# Altium PCB MainBoard.PcbDoc (part 4 of 4)
Units mm, origin at the board's own origin, x right, y up, seen from the top; angles counter-clockwise.
Board outline 107.12 x 107.12 mm, 4 copper layers (Top Layer, Internal Plane 1, Internal Plane 2, Bottom Layer), stack 1.56 mm thick; 344 components, 254 nets, 1322 pads, 508 vias.
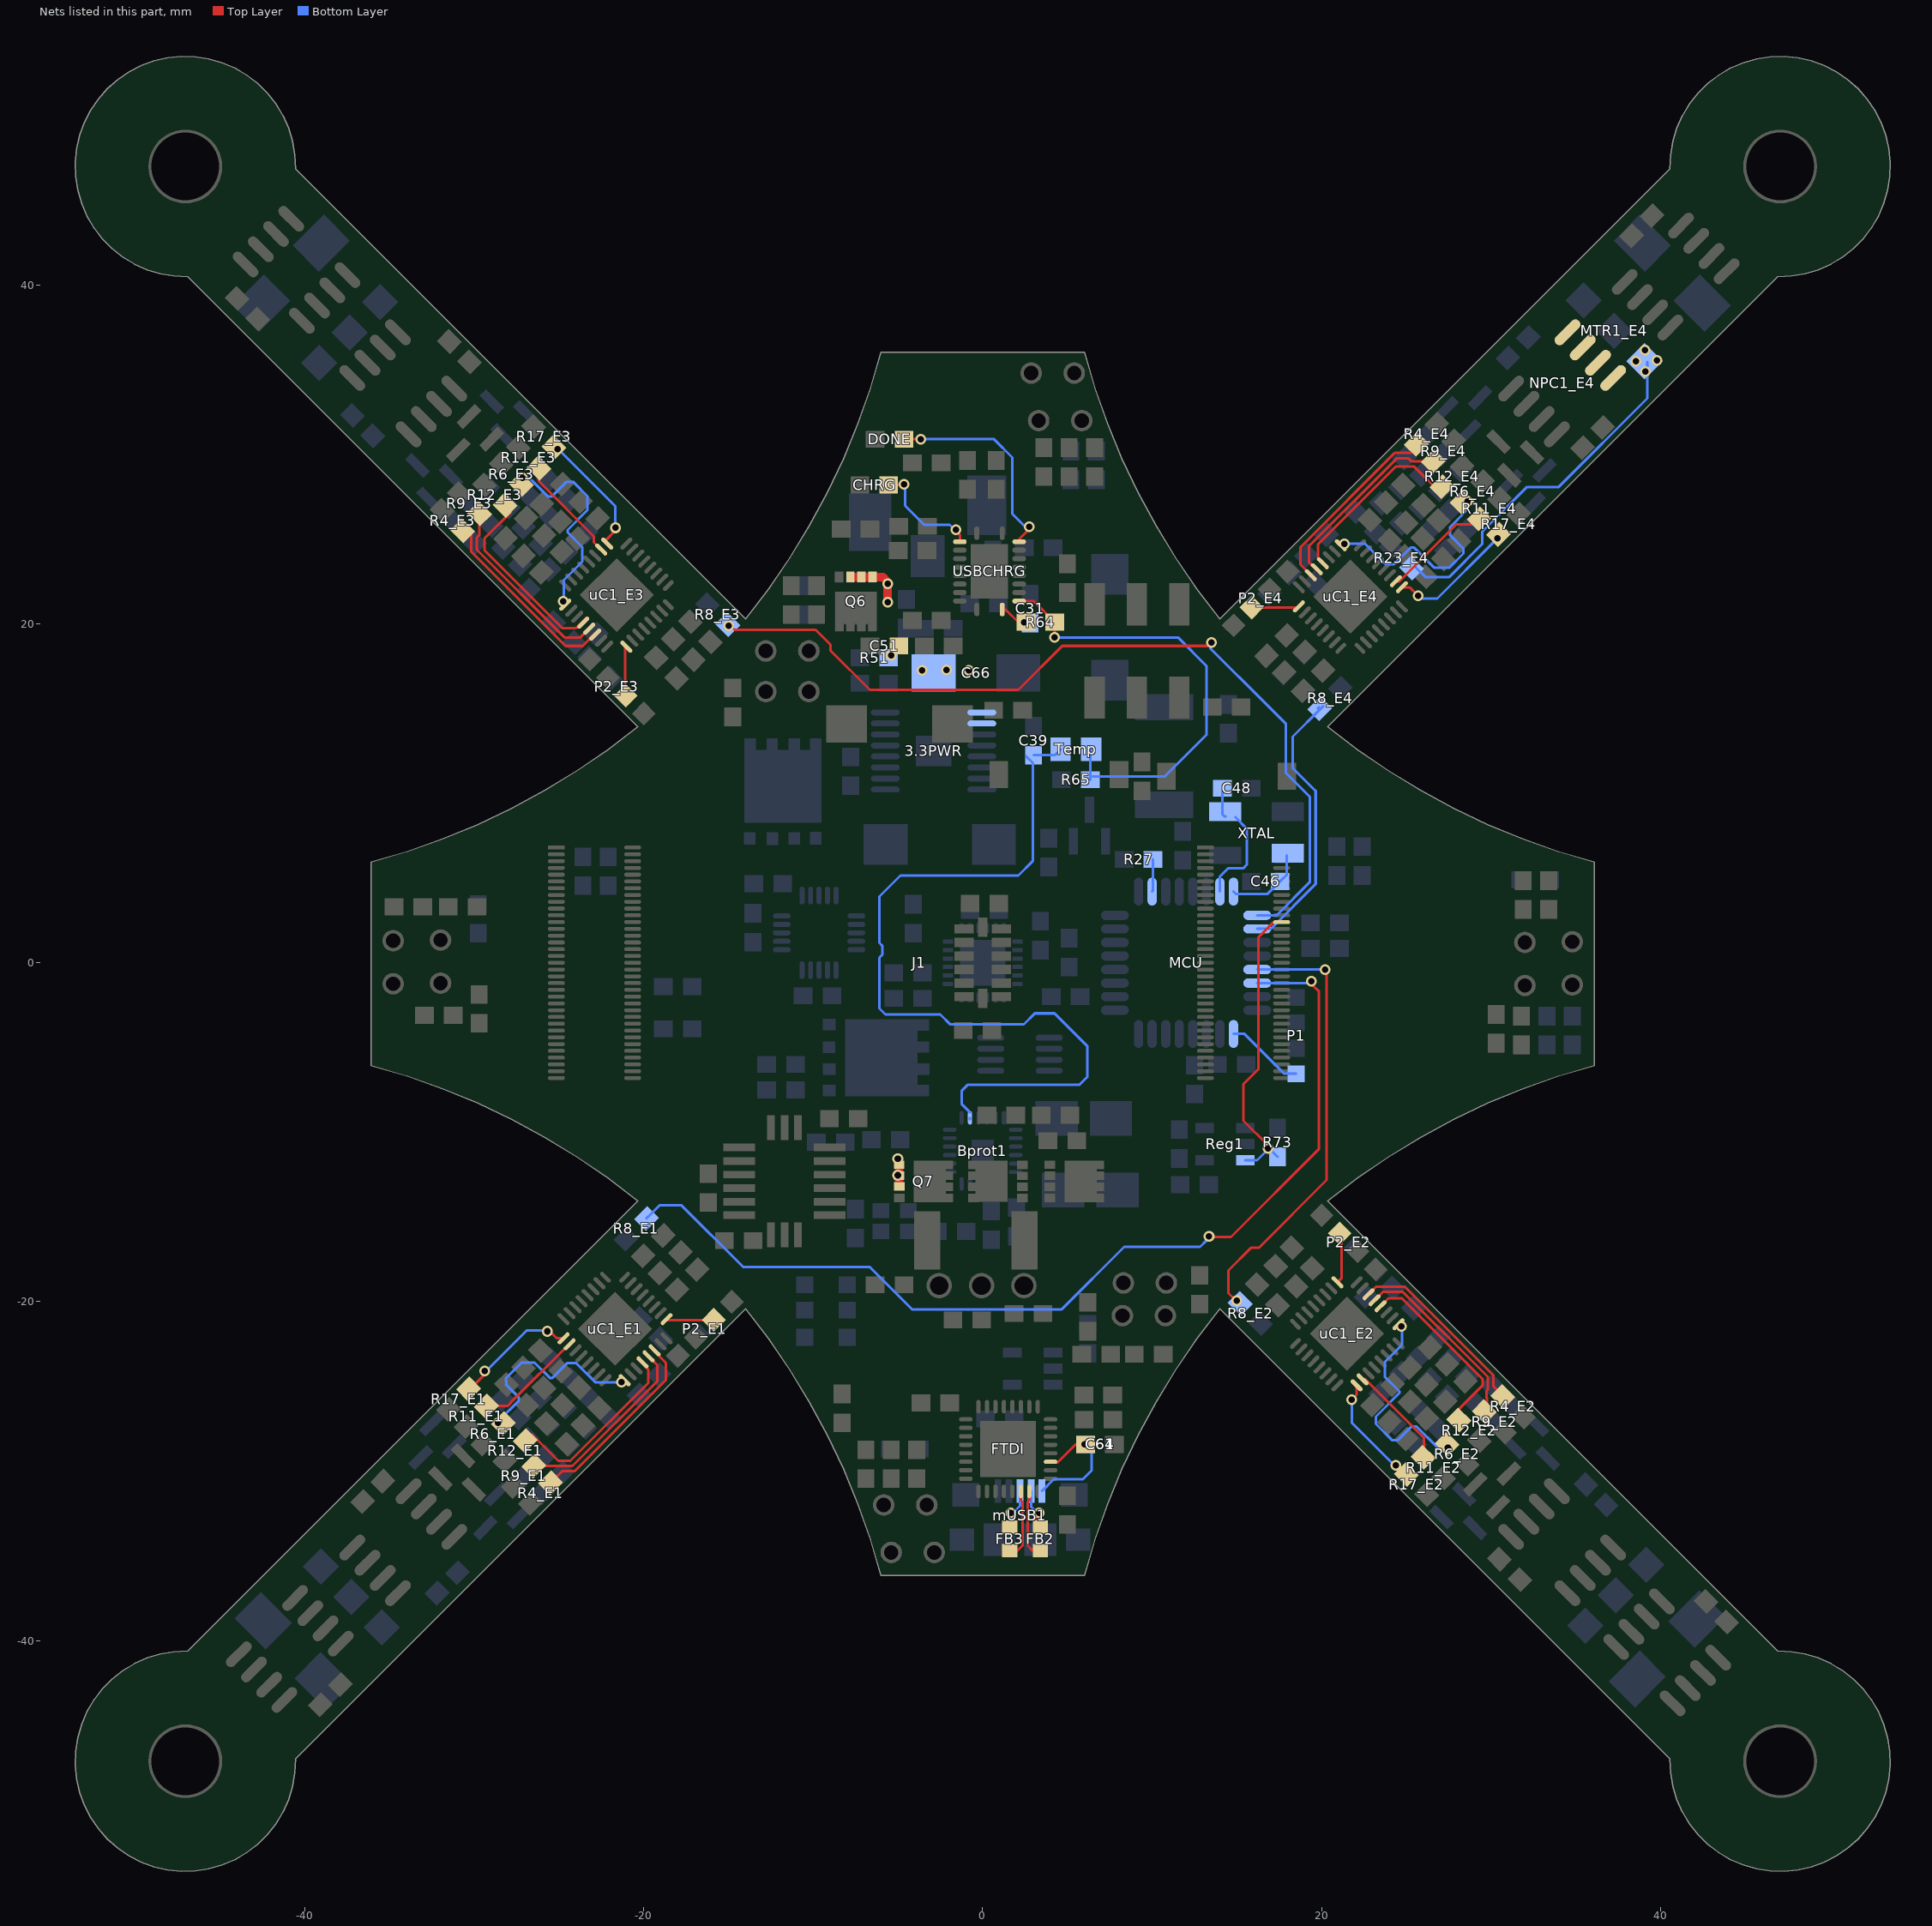
[diagram p6: the nets of this part, all layers, seen from the top]

## Via types
v1: diameter 0.635, hole 0.381, Top Layer to Bottom Layer, 475 vias
v2: diameter 1.304, hole 1.05, Top Layer to Bottom Layer, 8 vias
v3: diameter 1.804, hole 1.55, Top Layer to Bottom Layer, 8 vias
v4: diameter 2.006, hole 1.65, Top Layer to Bottom Layer, 4 vias
v5: diameter 1.006, hole 0.65, Top Layer to Bottom Layer, 4 vias
v6: diameter 1.856, hole 1.5, Top Layer to Bottom Layer, 4 vias
v7: diameter 1.956, hole 1.6, Top Layer to Bottom Layer, 2 vias
v8: diameter 0.762, hole 0.508, Top Layer to Bottom Layer, 1 vias
v9: diameter 0.7, hole 0.4, Top Layer to Bottom Layer, tented top, 1 vias
v10: diameter 0.635, hole 0.381, Top Layer to Bottom Layer, tented top, 1 vias

## Nets (pads, with @x,y where several pads share a name; then routed paths per layer and width w, separated by ;. In a path a pad name is that pad's centre, name@x,y a point inside that pad or via, vN(x,y) a via of type N, cw(c..) or ccw(c..) an arc to the next point about the centre after c; other vN are vias at no path point) (continued)
PHSC_E4: MTR1_E4.3 NPC1_E4.5 NPC1_E4.6 NPC1_E4.7 NPC1_E4.8 R23_E4.2 | length 20.9
  Bottom Layer w0.152: R23_E4.2@25.501,23.399 26.15,22.75 27.513,22.75 29.493,24.73 29.493,25.44 29.538,25.485 29.538,25.49 32.131,28.083 33.999,28.083 39.226,33.31 39.226,34.9 MTR1_E4.3@39.226,35.462
  other v1: 39.1,34.9 38.55,35.5 39.8,35.55 39.095,36.149
PULSE: MCU.2 R27.1 | length 1.9
  Bottom Layer w0.152: MCU.2@10,4.2 10.05,4.25 R27.1@10.05,6.1
PWM1: MCU.14 R8_E1.2 | length 59.5
  Top Layer w0.152: v1@13.42,-16.18 14.656,-16.18 19.85,-10.986 19.85,-1.7 19.5,-1.35 19.423,-1.235 v1@19.4,-1.2
  Bottom Layer w0.152: R8_E1.2@-19.85,-15.1 R8_E1.2@-19.849,-15.099 ; v1@13.2,-16.395 13.198,-16.398 12.83,-16.765 8.351,-16.765 4.666,-20.451 -1.071,-20.451 -1.073,-20.449 -2.227,-20.449 -2.229,-20.451 -4.18,-20.451 -6.681,-17.95 -14.15,-17.95 -17.8,-14.3 -19.05,-14.3 R8_E1.2@-19.775,-15.025 ; MCU.14@16.2,-1.2 v1@19.4,-1.2 ; R8_E1.2@-19.849,-15.099 -19.8,-15 R8_E1.2@-19.775,-15.025 ; R8_E1.2@-19.849,-15.099 R8_E1.2@-19.775,-15.025
  other v1: 13.36,-16.154 19.4,-1.1
PWM2: MCU.13 R8_E2.2 | length 26.6
  Top Layer w0.152: v1@15.1,-20.1 14.5,-19.5 14.5,-18.163 15.835,-16.828 16.294,-16.828 20.3,-12.822 v1@20.3,-0.4
  Bottom Layer w0.152: MCU.13@16.2,-0.4 v1(20.2,-0.4)
  other v1: 15,-19.95
PWM3: MCU.9 R8_E3.2 | length 52
  Top Layer w0.152: v1@-15,20 -14.65,19.65 -9.858,19.65 -8.979,18.771 -8.979,18.428 -6.655,16.104 2.104,16.104 4.7,18.7 v1@13.5,18.7
  Bottom Layer w0.152: R8_E3.2@-15.1,19.85 R8_E3.2@-15.099,19.849 ; v1@13.5,18.7 13.45,18.65 13.45,18.534 15.132,16.852 15.148,16.852 17.9,14.1 17.9,11.2 19.3,9.8 19.3,4.75 17.35,2.8 MCU.9@16.2,2.8 ; R8_E3.2@-15.099,19.849 -15.04,19.82 -15.039,19.819 -15,19.8 -15.025,19.775 -15.074,19.824 -15.075,19.825 R8_E3.2@-15.099,19.849
  other v1: 13.5,18.9 -15,19.9
PWM4: MCU.10 R8_E4.2 | length 16.6
  Bottom Layer w0.152: MCU.10@16.2,2 17,2 19.65,4.65 19.65,10.15 19.634,10.15 18.3,11.484 18.3,13.3 18.3,13.35 19.924,14.974 R8_E4.2@20.1,15.15 ; R8_E4.2@19.85,15.1 R8_E4.2@19.849,15.099 ; R8_E4.2@19.849,15.099 19.824,15.074 19.775,15.025 19.8,15 19.819,15.038 R8_E4.2@19.849,15.099
PWM_PHSA1_E1: R4_E1.1 uC1_E1.14 | length 11.6
  Top Layer w0.152: R4_E1.1@-25.65,-30.6 -25.624,-30.574 -25.384,-30.574 -24.823,-30.013 -24.088,-30.013 -18.7,-24.626 -18.7,-23.612 -19.403,-22.909 -19.45,-22.862 uC1_E1.14@-19.45,-22.75
PWM_PHSA1_E2: R4_E2.1 uC1_E2.14 | length 11.1
  Top Layer w0.152: uC1_E2.14@22.773,-19.567 23.211,-19.129 24.925,-19.129 30.15,-24.353 30.15,-25 R4_E2.1@30.7,-25.55
PWM_PHSA1_E3: R4_E3.1 uC1_E3.14 | length 11.6
  Top Layer w0.152: R4_E3.1@-30.6,25.65 -30.574,25.624 -30.2,25.25 -30.2,24.287 ; -30.183,24.258 -24.626,18.7 -23.612,18.7 -22.909,19.403 -22.862,19.45 uC1_E3.14@-22.75,19.45
PWM_PHSA1_E4: R4_E4.1 uC1_E4.14 | length 11.6
  Top Layer w0.152: uC1_E4.14@19.5,22.65 19.5,22.762 19.378,22.884 18.75,23.512 18.75,24.526 24.308,30.083 ; 24.337,30.1 25.3,30.1 25.699,30.499 R4_E4.1@25.7,30.5
PWM_PHSA2_E1: R6_E1.1 uC1_E1.9 | length 11.9
  Bottom Layer w0.152: v1@-28.6,-27.044 -28.547,-27.097 v1@-28.472,-27.172 ; v1@-28.577,-27.042 -27.392,-25.858 -27.392,-25.642 -28.132,-24.902 ; -28.132,-24.901 -28.124,-24.893 -28.124,-24.708 -28.132,-24.7 -28.132,-24.511 -27.22,-23.599 -26.451,-23.599 -25.55,-24.5 -25.4,-24.5 -24.53,-23.63 -23.987,-23.63 -22.866,-24.752 -21.431,-24.752 v1@-21.373,-24.694
  other v1: -28.613,-27.161 -21.316,-24.752
PWM_PHSA2_E2: R6_E2.1 uC1_E2.9 | length 12.3
  Bottom Layer w0.152: v1@24.8,-21.4 24.9,-21.5 24.74,-21.66 24.74,-22.56 23.73,-23.57 23.73,-24.43 24.6,-25.3 24.6,-25.386 23.2,-26.786 23.2,-27.219 24.151,-28.17 24.51,-28.17 25.298,-27.381 ; 25.349,-27.381 25.612,-27.381 26.805,-28.575 27.069,-28.575
  other v1: 27.457,-28.626 24.713,-21.465
PWM_PHSA2_E3: R6_E3.1 uC1_E3.9 | length 12.3
  Bottom Layer w0.152: v1@-27.172,28.472 -27.044,28.6 -26.742,28.6 -25.673,27.531 -25.419,27.531 -24.605,28.345 ; v1@-24.721,21.606 -24.721,22.579 -23.63,23.67 -23.63,24.53 -24.5,25.4 -24.5,25.55 -23.328,26.722 -23.328,27.547 -24.151,28.37 -24.58,28.37 -24.605,28.345 ; -24.641,28.359 -24.626,28.345 -24.605,28.345 ; -24.6,28.35 -24.605,28.345
  other v1: -24.753,21.328 -27.164,28.625
PWM_PHSA2_E4: R6_E4.1 uC1_E4.9 | length 12.3
  Bottom Layer w0.152: v1@21.6,24.723 22.577,24.723 23.77,23.53 24.28,23.53 25.25,24.5 25.466,24.5 26.638,23.328 27.547,23.328 28.37,24.151 28.37,24.447 27.59,25.227 27.59,25.722 28.496,26.628 v1@28.496,27.228
  other v1: 21.342,24.723 28.608,27.238
PWM_PHSB1_E1: R9_E1.1 uC1_E1.13 | length 11.6
  Top Layer w0.152: R9_E1.1@-26.499,-29.699 -25.251,-29.699 -25.25,-29.7 -24.217,-29.7 -19.2,-24.683 -19.2,-23.746 uC1_E1.13@-19.62,-23.326 ; uC1_E1.13@-19.82,-23.176 -19.741,-23.249 -19.636,-23.344 -19.324,-23.628
PWM_PHSB1_E2: R9_E2.1 uC1_E2.13 | length 11.1
  Top Layer w0.152: uC1_E2.13@23.126,-19.92 23.613,-19.434 24.799,-19.434 29.805,-24.439 29.805,-25.195 29.728,-25.272 29.728,-25.658 29.75,-25.68 29.75,-26.45 R9_E2.1@29.7,-26.5
PWM_PHSB1_E3: R9_E3.1 uC1_E3.13 | length 11.7
  Top Layer w0.152: R9_E3.1@-29.699,26.499 -29.699,25.251 -29.864,25.086 -29.864,24.381 -24.683,19.2 -23.746,19.2 uC1_E3.13@-23.326,19.62 ; -23.628,19.324 -23.344,19.636 -23.249,19.741 uC1_E3.13@-23.176,19.82
PWM_PHSB1_E4: R9_E4.1 uC1_E4.13 | length 11.7
  Top Layer w0.152: 19.374,23.528 19.686,23.244 19.713,23.219 uC1_E4.13@19.87,23.076 ; uC1_E4.13@19.67,23.226 19.25,23.646 19.25,24.583 24.431,29.764 25.136,29.764 25.295,29.605 25.576,29.605 25.582,29.599 R9_E4.1@26.549,29.599
PWM_PHSB2_E1: R11_E1.1 uC1_E1.2 | length 6.4
  Top Layer w0.152: R11_E1.1@-29.297,-26.148 -28.015,-26.148 -27.87,-26.002 -27.87,-25.971 -24.418,-22.519 uC1_E1.2@-24.387,-22.519
PWM_PHSB2_E2: R11_E2.1 uC1_E2.2 | length 6.2
  Top Layer w0.152: uC1_E2.2@22.393,-24.587 uC1_E2.2@22.419,-24.587 22.586,-24.587 26.03,-28.031 R11_E2.1@26.03,-29.087 ; R11_E2.1@25.999,-29.099 R11_E2.1@26.099,-29.099
PWM_PHSB2_E3: R11_E3.1 uC1_E3.2 | length 6.4
  Top Layer w0.152: R11_E3.1@-26.196,29.225 -26.196,28.417 -22.947,25.168 -22.947,24.815 uC1_E3.2@-22.519,24.387
PWM_PHSB2_E4: R11_E4.1 uC1_E4.2 | length 6.4
  Top Layer w0.152: uC1_E4.2@24.387,22.519 24.594,22.519 27.946,25.872 29.084,25.872 R11_E4.1@29.276,26.064
PWM_PHSC1_E1: R12_E1.1 uC1_E1.12 | length 11.1
  Top Layer w0.152: R12_E1.1@-26.6,-27.85 -25.055,-29.395 -24.343,-29.395 -19.744,-24.796 -19.744,-24.01 -20.124,-23.63 uC1_E1.12@-20.374,-23.38
PWM_PHSC1_E2: R12_E2.1 uC1_E2.12 | length 10.8
  Top Layer w0.152: uC1_E2.12@23.48,-20.274 23.963,-19.791 24.725,-19.791 25.403,-20.469 29.5,-24.566 29.5,-24.95 R12_E2.1@27.95,-26.5
PWM_PHSC1_E3: R12_E3.1 uC1_E3.12 | length 11.1
  Top Layer w0.152: R12_E3.1@-27.85,26.6 -29.4,25.05 -29.4,24.348 -24.796,19.744 -24.01,19.744 -23.63,20.124 uC1_E3.12@-23.38,20.374
PWM_PHSC1_E4: R12_E4.1 uC1_E4.12 | length 10.7
  Top Layer w0.152: uC1_E4.12@20.099,23.605 19.794,23.91 19.794,24.696 24.398,29.3 25.45,29.3 R12_E4.1@26.825,27.925
PWM_PHSC2_E1: R17_E1.1 uC1_E1.1 | length 7.3
  Top Layer w0.152: R17_E1.1@-30.299,-25.199 -29.368,-24.268 v1@-29.368,-24.095 ; v1@-25.602,-21.702 -25.145,-22.159 -24.741,-22.159 uC1_E1.1@-24.741,-22.166
  Bottom Layer w0.152: v1@-29.397,-24.116 -29.334,-24.116 -26.925,-21.707 -25.814,-21.707 v1@-25.713,-21.606
  other v1: -29.391,-24.09 -25.704,-21.751
PWM_PHSC2_E2: R17_E2.1 uC1_E2.1 | length 6.9
  Top Layer w0.152: v1@21.767,-25.799 22.066,-25.5 uC1_E2.1@22.066,-24.941 uC1_E2.1@21.959,-24.941 ; R17_E2.1@24.934,-30.199 R17_E2.1@24.999,-30.199
  Bottom Layer w0.152: v1@21.793,-25.781 21.779,-25.795 21.779,-27.144 24.885,-30.25 24.9,-30.25
  other v1: 24.387,-29.652 21.768,-25.781
PWM_PHSC2_E3: R17_E3.1 uC1_E3.1 | length 7
  Top Layer w0.152: uC1_E3.1@-22.166,24.741 -22.312,24.88 v1@-21.652,25.539
  Bottom Layer w0.152: v1@-25.05,30.2 -24.946,30.2 -21.692,26.947 v1@-21.692,25.761
  other v1: -21.674,25.672 -25.08,30.323
PWM_PHSC2_E4: R17_E4.1 uC1_E4.1 | length 7.3
  Top Layer w0.152: uC1_E4.1@24.741,22.166 25.188,22.166 v1@25.685,21.669
  Bottom Layer w0.152: v1@25.677,21.717 25.894,21.5 26.822,21.5 30.2,24.878 v1@30.2,25.05
  other v1: 25.701,21.653 30.382,25.054
PWR_IN: 3.3PWR.1 3.3PWR.2 C51.2 C66.1 Q6.1 Q7.1 R51.1 | length 4.7
  Top Layer w0.508: Q6.1@-7.8,22.77 -6.5,22.77 -5.9,22.77 -5.613,22.483 v1(-5.613,22.377) v1(-5.613,21.285) ; Q7.1@-4.93,-11.91 -4.925,-11.915 Q7.1@-4.925,-13.15
  other v1: -5.01,-12.54 -5.01,-11.56 -0.811,17.253 -3.583,17.263 -2.149,17.273 -5.4,18.15
SCK: MCU.17 P1.4 | length 4.7
  Bottom Layer w0.152: MCU.17@14.8,-4.2 15.45,-4.2 17.8,-6.55 P1.4@18.5,-6.55
SCK_E1: P2_E1.3 uC1_E1.17 | length 2.8
  Top Layer w0.152: uC1_E1.17@-18.75,-21.1 -18.659,-21.1 P2_E1.3@-15.996,-21.1
SCK_E2: P2_E2.3 uC1_E2.17 | length 3
  Top Layer w0.152: uC1_E2.17@20.934,-18.859 21.19,-18.604 21.19,-16.09 P2_E2.3@21.07,-15.97
SCK_E3: P2_E3.3 uC1_E3.17 | length 2.8
  Top Layer w0.152: P2_E3.3@-21.1,15.996 -21.1,18.659 uC1_E3.17@-21.1,18.75
SCK_E4: P2_E4.3 uC1_E4.17 | length 2.8
  Top Layer w0.152: P2_E4.3@15.87,20.97 18.595,20.97 uC1_E4.17@18.659,21.034
STAT1: CHRG.2 USBCHRG.2 | length 6.7
  Top Layer w0.152: CHRG.2@-5.55,28.2 v1@-4.45,28.2 ; v1@-1.55,25.45 -1.35,25.25 USBCHRG.2@-1.35,24.85
  Bottom Layer w0.152: v1@-4.486,28.15 -4.581,28.055 -4.581,26.981 -3.45,25.85 -1.95,25.85 v1@-1.55,25.45
  other v1: -1.575,25.552 -4.649,28.239
STAT2: DONE.2 USBCHRG.19 | length 16.1
  Top Layer w0.152: DONE.2@-4.65,30.9 v1(-3.65,30.9) ; USBCHRG.19@2.15,24.85 2.15,25 v1@2.7,25.55
  Bottom Layer w0.152: v1(-3.65,30.9) 0.672,30.9 1.75,29.822 1.75,26.5 v1@2.7,25.55 ; v1@-3.6,30.9 0.1,30.9
  other v1: 2.743,25.73
SYS_EN: J1.59 R73.2 Reg1.3 | length 17.7
  Top Layer w0.152: v1@16.9,-10.95 16.9,-10.837 15.384,-9.322 15.384,-7.161 16.281,-6.263 16.281,1.511 17.17,2.4 J1.59@17.641,2.4
  Bottom Layer w0.152: Reg1.3@15.5,-11.65 16.2,-11.65 16.875,-10.975 v1@16.9,-10.95 ; v1@16.9,-10.85 v1@16.9,-10.95 ; R73.2@17.4,-11.45 v1@16.9,-10.95
  other v1: 16.85,-10.95
THERMIN: R64.2 R65.1 Temp.2 USBCHRG.12 | length 26.8
  Top Layer w0.152: USBCHRG.12@2.15,21.35 3,21.35 R64.2@4.25,20.1 v1(4.25,19.2)
  Bottom Layer w0.152: v1(4.25,19.2) 11.523,19.2 13.2,17.523 13.2,13.45 10.75,11 R65.1@6.466,11 ; R65.1@6.35,10.8 6.35,12.55 Temp.2@6.4,12.6
TOUT: Bprot1.14 C39.2 Temp.1 | length 49.7
  Bottom Layer w0.152: Bprot1.14@-0.75,-9.25 Bprot1.14@-0.75,-9.15 ; Bprot1.14@-0.72,-8.855 -1.251,-8.324 -1.251,-7.573 -0.867,-7.189 4.927,-7.189 4.935,-7.197 5.711,-7.197 6.184,-6.724 6.184,-4.934 4.237,-2.987 3.08,-2.987 2.429,-3.638 ; 2.429,-3.645 -1.905,-3.645 -2.5,-3.05 -5.75,-3.05 -6.1,-2.7 -6.1,0.299 -5.931,0.468 -5.931,1.005 -6.1,1.174 -6.1,3.908 -4.858,5.15 2.1,5.15 2.95,6 2.95,11.8 C39.2@2.55,12.2 ; C39.2@3,12.25 4.25,12.25 Temp.1@4.6,12.6
USBH_D_N: FB2.2 FTDI.15 | length 4.1
  Top Layer w0.152: FTDI.15@2.75,-31.2 2.75,-31.72 2.652,-31.818 2.652,-34.402 2.95,-34.7 FB2.2@3.4,-34.7
USBH_D_P: FB3.2 FTDI.14 | length 4.1
  Top Layer w0.152: FB3.2@1.6,-34.7 2.05,-34.7 2.348,-34.402 2.348,-31.818 2.25,-31.72 FTDI.14@2.25,-31.2
USBH_IN_N: FB2.1 mUSB1.2 | length 2.4
  Top Layer w0.152: v1@3.15,-32.4 3.15,-33.05 FB2.1@3.4,-33.3
  Bottom Layer w0.152: mUSB1.2@2.85,-31.175 2.85,-32.1 v1@3.15,-32.4
  other v1: 3.325,-32.47
USBH_IN_P: FB3.1 mUSB1.3 | length 2.3
  Top Layer w0.152: FB3.1@1.55,-33.25 1.85,-32.95 v1@1.85,-32.4
  Bottom Layer w0.152: v1@1.85,-32.4 2.2,-32.05 mUSB1.3@2.2,-31.175
  other v1: 1.668,-32.463
VTSB: C31.1 R64.1 USBCHRG.11 | length 1.7
  Top Layer w0.152: USBCHRG.11@1.15,20.85 1.345,20.85 2.095,20.1 v1(2.45,20.1) R64.1@2.55,20.1
VUSB: C61.1 C64.1 FTDI.19 mUSB1.1 | length 8.4
  Top Layer w0.152: FTDI.19@4,-29.45 4.049,-29.499 4.412,-29.499 5.468,-28.443 C61.1@5.963,-28.443 ; C61.1@5.771,-28.077 6.071,-28.377 6.046,-28.402 v1(6.021,-28.427) ; v1(6.021,-28.427) C61.1@6.071,-28.427 v1(6.021,-28.427)
  Bottom Layer w0.152: mUSB1.1@3.5,-31.175 4.204,-30.471 5.923,-30.471 6.421,-29.973 6.421,-28.82 C64.1@6.069,-28.468 ; C64.1@5.797,-28.427 v1(6.021,-28.427) C64.1@6.071,-28.427
X1: C48.1 MCU.7 XTAL.1 | length 7.5
  Bottom Layer w0.152: MCU.7@14,4.2 14,5.1 14.471,5.571 15.37,5.571 15.6,5.802 15.6,7.9 XTAL.1@14.9,8.6 ; C48.1@14.15,10.1 14.15,8.75 14.25,8.65 XTAL.1@14.35,8.65
X2: C46.1 MCU.8 XTAL.2 | length 4.8
  Bottom Layer w0.152: MCU.8@14.8,4.2 14.929,4.071 16.821,4.071 C46.1@17.55,4.8 17.95,5.2 XTAL.2@17.95,6.35
pads on no net: 3.3PWR.3 3.3PWR.4 3.3PWR.5 3.3PWR.6 3.3PWR.8 "DC IN.3" ACCEL.3 ACCEL.4 ACCEL.10 ACCEL.11 Bprot1.18 Bprot1.21 FTDI.3 FTDI.5 FTDI.6 FTDI.7 FTDI.8 FTDI.9 FTDI.10 FTDI.11 FTDI.12 FTDI.13 FTDI.23 FTDI.25 FTDI.27 FTDI.28 FTDI.29 FTDI.31 FTDI.32 IMU.2 IMU.3 IMU.4 IMU.5 IMU.14 IMU.15 IMU.16 IMU.17 IMU.19 IMU.21 IMU.22 IMU.25 J1.2 J1.3 J1.4 J1.5 J1.6 J1.7 J1.8 J1.9 J1.10 J1.11 J1.12 J1.13 J1.14 J1.15 J1.16 J1.17 J1.18 J1.19 J1.20 J1.21 J1.22 J1.23 J1.24 J1.25 J1.27 J1.28 J1.29 J1.30 J1.32 J1.33 J1.34 J1.35 J1.36 J1.37 J1.38 J1.39 J1.40 J1.41 J1.42 J1.43 J1.44 J1.45 J1.46 J1.47 J1.48 J1.49 J1.50 J1.51 J1.52 J1.53 J1.54 J1.55 J1.57 J1.60 J1.61 J1.62 J1.63 J1.64 J1.65 J1.68 J1.69 J1.74 J1.75 J1.76 J1.77 J1.78 J1.79 J1.80 J1.81 J1.82 J1.83 J1.84 J1.85 J1.86 J1.87 J1.88 J1.89 J1.90 J1.91 J1.92 J1.93 J1.95 J1.96 J1.97 J1.98 J1.99 J1.100 J1.101 J1.102 J1.104 J1.105 J1.106 J1.107 J1.108 J1.109 J1.110 J1.111 J1.112 J1.113 J1.114 J1.115 J1.116 J1.117 J1.119 J1.120 J1.121 J1.122 J1.123 J1.124 J1.125 J1.126 J1.127 J1.128 J1.129 J1.130 J1.131 J1.132 J1.133 J1.134 J1.135 J1.136 J1.137 J1.138 J1.139 J1.140 Mag.2 Mag.3 Mag.4 Mag.5 Mag.6 Mag.7 Mag.8 Mag.10 Mag.11 Mag.19 mUSB1.4 mUSB1.SHIELD1 mUSB1.SHIELD2 mUSB1.SHIELD3 mUSB1.SHIELD4 mUSB1.SHIELD5 Prssr.3 Prssr.11 Prssr.NC Reg1.4 S1.1 S1.2 S1.3 S1.6 uC1_E1.7 uC1_E1.8 uC1_E1.11 uC1_E1.19 uC1_E1.22 uC1_E1.24 uC1_E1.26 uC1_E1.30 uC1_E1.31 uC1_E2.7 uC1_E2.8 uC1_E2.11 uC1_E2.19 uC1_E2.22 uC1_E2.24 uC1_E2.26 uC1_E2.30 uC1_E2.31 uC1_E3.7 uC1_E3.8 uC1_E3.11 uC1_E3.19 uC1_E3.22 uC1_E3.24 uC1_E3.26 uC1_E3.30 uC1_E3.31 uC1_E4.7 uC1_E4.8 uC1_E4.11 uC1_E4.19 uC1_E4.22 uC1_E4.24 uC1_E4.26 uC1_E4.30 uC1_E4.31 XTAL.3 XTAL.4
copper on no net:
  other v2: 47.062,-51.626 -51.562,-47.126 -42.562,-47.126 47.062,-42.626 -47.062,42.497 42.562,46.997 51.562,46.997 -47.062,51.497
  other v3: -47.062,-52.126 42.062,-47.126 52.062,-47.126 -47.062,-42.126 47.062,41.997 -52.062,46.997 -42.062,46.997 47.062,51.997
  other v4: -27.356,-6.9 27.444,-6.9 -27.456,6.9 27.444,6.9
  other v5: -22.011,-7.6 16.291,-7.6 -23.811,7.6 14.491,7.6
  other v6: 0,-23.4 -30,0 30,0 -0.002,19.306
  other v7: -3.2,27.5 -3.2,33

## Polygon pours and split planes (outlines as drawn)
GND on Bottom Layer "Top Layer-No Net" (solid, pour order 1005): -47.143,41.558 -47.143,41.44 -42.836,37.084 -37.388,42.594 -37.342,42.594 -37.342,42.853 -41.579,47.138
PHSB_E3 on Bottom Layer "Bottom Layer-No Net" (solid, pour order 1000): -42.665,37.011 -37.965,32.464 -32.44,37.97 -36.814,42.536
GND on Bottom Layer "Top Layer-No Net" (solid, pour order 1005): 41.414,47.003 41.296,47.003 36.94,42.696 42.449,37.248 42.449,37.202 42.709,37.202 46.994,41.439
PHSB_E4 on Bottom Layer "Bottom Layer-No Net" (solid, pour order 1000): 36.94,42.628 32.394,37.928 37.899,32.403 42.465,36.777
Net3.3PWR_14 on Bottom Layer "Top Layer-No Net" (solid, pour order 1000): -4.907,12.738 -4.907,15.744 -10.244,15.744 -15.244,15.723 -15.243,14.568 -15.243,9.863 -10.075,9.863 -4.84,9.908
PHSB_E1 on Bottom Layer "Bottom Layer-No Net" (solid, pour order 1000): -36.858,-42.632 -32.312,-37.932 -37.818,-32.407 -42.383,-36.781
GND on Bottom Layer "Top Layer-No Net" (solid, pour order 1005): -41.375,-46.853 -41.256,-46.853 -36.845,-42.487 -42.424,-36.966 -42.424,-36.919 -42.686,-36.919 -47.026,-41.213
NetC27_2 on Bottom Layer "Top Layer-No Net" (solid, pour order 1004): 3.644,12.335 3.644,19.306 3.589,19.368 3.671,19.276 13.526,19.276 13.526,12.365 13.443,12.273
NetL1_1 on Bottom Layer "Top Layer-No Net" (solid, pour order 1003): 11.594,20.859 4.307,20.859 4.224,20.776 3.948,21.052 3.948,27.815 11.567,27.815 11.649,27.732
CHRG_PWR on Bottom Layer "Top Layer-No Net" (solid, pour order 1002): -9.203,22.25 -1.755,22.25 -1.755,28.747 -1.786,28.778 -1.941,28.937 -9.265,28.937
BATT+ on Bottom Layer "Top Layer-No Net" (solid, pour order 1001): 8.029,-19.869 8.034,-19.882 8.958,-19.882 9.189,-19.882 10.797,-15.553 10.788,-15.527 10.788,-10.36 8.025,-10.36 8.02,-10.373
PWR_IN on Bottom Layer "Top Layer-No Net" (solid, pour order 1000): 2.62,18.619 2.447,18.741 -6.426,18.741 -6.405,13.853 -6.424,13.853 -6.007,13.84 2.57,13.84
BATT+ on Bottom Layer "Top Layer-No Net" (solid, pour order 1001): 32.05,31.5 30.8,32.75 32.2,34.15 32.55,35.35 33.05,35.85 35.05,33.85 34.55,33.35 33.55,33
BATT+ on Bottom Layer "Top Layer-No Net" (solid, pour order 1001): -31.5,32.05 -32.75,30.8 -34.15,32.2 -35.35,32.55 -35.85,33.05 -33.85,35.05 -33.35,34.55 -33,33.55
BATT+ on Bottom Layer "Top Layer-No Net" (solid, pour order 1001): -32.05,-31.5 -30.8,-32.75 -32.2,-34.15 -32.55,-35.35 -33.05,-35.85 -35.05,-33.85 -34.55,-33.35 -33.55,-33
BATT+ on Bottom Layer "Top Layer-No Net" (solid, pour order 1000): 31.733,-32.098 32.983,-30.848 34.383,-32.248 35.583,-32.598 36.083,-33.098 34.083,-35.098 33.583,-34.598 33.233,-33.598
GND on Bottom Layer "Top Layer-No Net" (solid, pour order 1000): -0.895,28.753 -0.873,28.731 1.397,28.731 1.397,23.436 1.386,23.425 -0.917,23.425
PHSB_E2 on Bottom Layer "Bottom Layer-No Net" (solid, pour order 1000): 42.49,-36.831 37.79,-32.285 32.265,-37.79 36.639,-42.356
GND on Bottom Layer "Top Layer-No Net" (solid, pour order 1005): 46.616,-40.963 46.616,-40.845 42.309,-36.489 36.861,-41.999 36.815,-41.999 36.815,-42.258 41.052,-46.543
NetCHG1_1 on Top Layer "Top Layer-No Net" (solid, pour order 1000): 1.88,-14.28 1.88,-11.52 4.42,-11.52 4.43,-11.53 4.43,-14.28
GND on Top Layer "Top Layer-No Net" (solid, pour order 1006): 6.265,-19.94 0.077,-19.94 0.041,-19.877 0.006,-19.813 0.006,-14.49 6.265,-14.49 6.3,-14.553 6.265,-14.553
PHSC_E3 on Top Layer "Bottom Layer-No Net" (solid, pour order 1002): -34.98,41.174 -38.035,38.119 -36.55,36.623 -38.148,35.044 -39.323,33.85 -37.569,32.11 -33.114,36.535 -31.863,37.816
PHSA_E3 on Top Layer "Bottom Layer-No Net" (solid, pour order 1001): -35.036,41.148 -36.668,42.781 -41.516,37.867 -42.472,36.978 -39.366,33.967 -37.966,35.367 -36.761,36.56 -38.177,38.138
PHSA_E4 on Top Layer "Bottom Layer-No Net" (solid, pour order 1001): 41.275,35.003 42.907,36.636 37.994,41.484 37.104,42.439 34.094,39.334 35.494,37.934 36.686,36.729 38.265,38.145
PHSC_E4 on Top Layer "Bottom Layer-No Net" (solid, pour order 1002): 41.362,35.079 38.363,38.079 36.811,36.649 35.232,38.247 34.038,39.422 32.298,37.668 36.723,33.213 38.004,31.962
BATT+ on Top Layer "Top Layer-No Net" (solid, pour order 1005): 42.32,36.674 36.604,42.497 41.127,46.999 46.991,41.054
BATT+ on Top Layer "Top Layer-No Net" (solid, pour order 1005): -36.855,42.353 -42.541,36.799 -46.937,41.194 -41.131,46.893
BATT+ on Top Layer "Top Layer-No Net" (solid, pour order 1005): 36.689,-42.149 42.374,-36.595 47.266,-41.337 41.342,-47.037
PHSC_E2 on Top Layer "Bottom Layer-No Net" (solid, pour order 1002): 35.129,-41.114 38.128,-38.115 36.698,-36.563 38.297,-34.984 39.471,-33.79 37.717,-32.05 33.263,-36.475 32.011,-37.756
PHSA_E2 on Top Layer "Bottom Layer-No Net" (solid, pour order 1001): 35.104,-41.053 36.737,-42.686 41.585,-37.772 42.54,-36.883 39.435,-33.872 38.035,-35.272 36.83,-36.465 38.246,-38.043
PHSC_E1 on Top Layer "Bottom Layer-No Net" (solid, pour order 1002): -41.105,-34.915 -38.105,-37.915 -36.553,-36.485 -34.975,-38.083 -33.78,-39.257 -32.367,-37.863 -36.925,-33.383 -38.175,-32.142
PHSA_E1 on Top Layer "Bottom Layer-No Net" (solid, pour order 1001): -41.142,-35.086 -42.775,-36.719 -37.862,-41.567 -36.972,-42.522 -33.962,-39.417 -35.362,-38.017 -36.554,-36.812 -38.133,-38.228
BATT+ on Top Layer "Top Layer-No Net" (solid, pour order 1005): -42.399,-36.817 -36.845,-42.502 -41.24,-46.898 -46.939,-41.093
NetL1_1 on Top Layer "Top Layer-No Net" (solid, pour order 1000): -0.75,23.039 -0.75,24.997 -0.745,27.484 1.215,27.512 3.14,27.55 6.874,27.55 6.874,25.507 6.846,23.067 4.618,23.039
BATT- on Top Layer "Top Layer-No Net" (solid, pour order 1007): -16.14,-14.316 -0.161,-14.344 -0.161,-14.627 -0.125,-25.265 -15.89,-25.237
3.3V on Top Layer "Top Layer-No Net" (solid, pour order 1001): -9.388,7.911 3.077,7.911 3.077,15.487 -9.388,15.487
GND on Top Layer "Top Layer-No Net" (solid, pour order 1002): 34.937,-33.885 31.637,-30.491 33.637,-28.435 36.936,-31.828
BATT+ on Top Layer "Top Layer-No Net" (solid, pour order 1004): 32.665,30.685 31.415,31.935 32.915,33.435 32.915,34.935 33.415,35.435 35.365,33.485 35.365,33.385 32.665,30.685
BATT+ on Top Layer "Top Layer-No Net" (solid, pour order 1004): -30.7,32.7 -31.95,31.45 -33.45,32.95 -34.95,32.95 -35.45,33.45 -33.5,35.4 -33.4,35.4 -30.7,32.7
BATT+ on Top Layer "Top Layer-No Net" (solid, pour order 1004): -32.7,-30.7 -31.45,-31.95 -32.95,-33.45 -32.95,-34.95 -33.45,-35.45 -35.4,-33.5 -35.4,-33.4 -32.7,-30.7
BATT+ on Top Layer "Top Layer-No Net" (solid, pour order 1003): 30.75,-32.75 32,-31.5 33.5,-33 35,-33 35.5,-33.5 33.55,-35.45 33.45,-35.45 30.75,-32.75
GND on Top Layer "Top Layer-No Net" (solid, pour order 1002): -33.6,-35.25 -30.207,-31.95 -28.15,-33.95 -31.543,-37.25
GND on Top Layer "Top Layer-No Net" (solid, pour order 1003): -35.25,33.65 -31.95,30.257 -33.95,28.2 -37.25,31.593
GND on Top Layer "Top Layer-No Net" (solid, pour order 1003): 33.7,35.25 30.307,31.95 28.25,33.95 31.643,37.25
BATT+ on Top Layer "Top Layer-No Net" (solid, pour order 1000): 6.989,-8.25 12.823,-8.25 12.823,-14.038 8.855,-18.14 8.135,-18.13 8.14,-14.631 6.97,-14.633
PWR_IN on Top Layer "Bottom Layer-No Net" (solid, pour order 1000): -6.4,-13.9 -4.125,-13.9 -4.125,-10.525 -4.175,-10.575 -6.4,-10.575
PWR_IN on Top Layer "Top Layer-No Net" (solid, pour order 1008): -3.32,-10.349 -3.32,-14.212 -7.425,-14.212 -7.506,-14.293 -7.263,-14.05 -7.263,-10.349
GND on Internal Plane 1 (split plane): 725 vertices, not listed, extent -53.047,-53.111 53.047,52.982
BATT+ on Internal Plane 2 (split plane): 475 vertices, not listed, extent -53.428,-53.493 53.428,53.364
3.3V on Internal Plane 2 (split plane): 8.608,10.992 8.58,10.95 8.571,10.9 8.571,9.086 8.58,9.036 8.608,8.994 12.971,4.632 12.971,-8.046 12.684,-8.333 8.137,-8.333 8.088,-8.343 8.046,-8.371 6.396,-10.021 -8.696,-10.021 -13.271,-5.446 -13.271,7.646 -7.246,13.671 11.287,13.671
PWR_IN on Internal Plane 2 (split plane): -0.179,17.35 -0.179,13.929 -7.3,13.929 -7.35,13.92 -7.392,13.892 -13.492,7.792 -13.52,7.75 -13.529,7.7 -13.529,-5.5 -13.52,-5.55 -13.492,-5.592 -8.842,-10.242 -8.8,-10.27 -8.75,-10.279 -3.779,-10.279 -3.779,-14.721 -11.796,-14.721 -17.171,-9.346 -17.171,10.646 -13.908,13.908 -13.88,13.95 -13.871,14 -13.871,20.248 -12.543,21.983 -12.542,21.986 -12.539,21.988 -11.832,23.021 -0.179,23.021
PACK+ on Internal Plane 2 (split plane): 17.871,9.846 17.871,-9.446 12.596,-14.721 -3.521,-14.721 -3.521,-10.279 6.45,-10.279 6.5,-10.27 6.542,-10.242 8.191,-8.592 12.738,-8.592 12.787,-8.582 12.829,-8.554 13.192,-8.192 13.22,-8.15 13.229,-8.1 13.229,4.686 13.22,4.735 13.192,4.777 8.829,9.139 8.829,10.846 11.654,13.671 14,13.671 14.039,13.678
NetL1_1 on Internal Plane 2 (split plane): 6.505,33.867 6.507,33.864 6.507,33.861 7.247,31.765 7.249,31.762 7.249,31.758 8.098,29.704 8.1,29.701 8.101,29.698 9.055,27.69 9.057,27.688 9.058,27.684 10.117,25.73 10.119,25.727 10.12,25.724 11.279,23.827 11.281,23.825 11.283,23.822 12.539,21.988 12.542,21.986 12.543,21.983 13.808,20.329 5.104,20.329 2.542,22.892 2.5,22.92 2.45,22.929 0.079,22.929 0.079,35.906 5.903,35.906
CHRG_PWR on Internal Plane 2 (split plane): -0.179,23.279 -11.654,23.279 -11.283,23.822 -11.281,23.825 -11.279,23.827 -10.12,25.724 -10.119,25.727 -10.117,25.73 -9.058,27.684 -9.057,27.688 -9.055,27.69 -8.101,29.698 -8.1,29.701 -8.098,29.704 -7.249,31.758 -7.249,31.762 -7.247,31.765 -6.507,33.861 -6.507,33.864 -6.505,33.867 -5.903,35.906 -0.179,35.906
NetC27_2 on Internal Plane 2 (split plane): 4.958,20.108 5,20.08 5.05,20.071 13.921,20.071 13.921,13.929 11.6,13.929 11.575,13.925 11.55,13.929 0.079,13.929 0.079,17.35 0.079,22.671 2.396,22.671

## Keep-outs
Keep-Out Layer:
  the board outline again, w0.254

## Other copper
Top Layer:
  rectangle net NetCHG1_1: 3.65,-12.725 4.275,-11.775
Internal Plane 2 (plane layer: these items are gaps in the copper):
  lines w0.254: -14,20.25 -14,14 -17.3,10.7 -17.3,-9.4 -11.85,-14.85 -3.65,-14.85 -3.65,-10.15 ; -11.85,23.15 -0.05,23.15 ; -5.2,-14.85 12.65,-14.85 18,-9.5 18,9.9 14.05,13.85 14.05,20.25 14,20.3 ; -1.15,13.8 11.55,13.8 ; -1.1,13.8 -7.3,13.8 -13.4,7.7 -13.4,-5.5 -8.75,-10.15 6.45,-10.15 8.137,-8.463 12.738,-8.463 13.1,-8.1 13.1,4.686 8.7,9.086 8.7,10.9 11.6,13.8 14,13.8 ; -0.05,13.85 -0.05,17.35 -0.05,36 ; -0.05,22.8 2.45,22.8 5.05,20.2 13.95,20.2

## Silkscreen, mask and mechanical layers (free items; w line width, h text height)
Top Overlay:
  circle w0.254: c-14.071,-10.3 r0.071
  text "ESC3" at -17.1,21.7 h0.64 r315
  text "ON" at 12.7,15.9 h0.64
  text "OFF" at 3.9,15.85 h0.64
  text "ESC4" at 20.55,15.05 h0.64 r45
  text "J4" at -23.3,8.5 h0.64
  text "μAV" at 8.55,-13.4 h5.08
  text "1.1" at 15.95,-13.4 h2.54
  text "15.11.2011" at 14.1,-14.6 h0.5
  text "ESC1" at -21.65,-17.15 h0.64 r45
  text "ESC2" at 15.35,-20.7 h0.64 r315
Bottom Overlay:
  lines w0.254: -6.5,-19.45 -5.5,-19.45 ; 4.25,-11.2 4.25,-10.4 ; 4.25,-8 4.25,-7.3 ; 7.5,-15.3 7.5,-14.6 ; 7.5,-12.3 7.5,-11.5
  text "+" at 5.4,-20.4 h2.54
Mechanical 1:
  drawing of 228 lines, arcs and shapes, not listed

## Text inside footprints (layer, text, board x,y; h text height)
Mag: Mechanical 15 "Y" at -9.462,0.942 h0.64 r270; Mechanical 15 "X" at -10.612,2.067 h0.64 r270
MTR1_E1: Bottom Overlay "A" at -37.04,-41.23 h1.52; Bottom Overlay "B" at -38.03,-37.92 h1.52 r180; Bottom Overlay "C" at -39.89,-36.06 h1.52 r180
MTR1_E2: Bottom Overlay "C" at 37.1,-39.51 h1.52 r180; Bottom Overlay "B" at 38.81,-37.51 h1.52 r180; Bottom Overlay "A" at 39.89,-36.97 h1.52
MTR1_E3: Bottom Overlay "C" at -36.09,41.32 h1.52 r180; Bottom Overlay "B" at -38.14,39.4 h1.52 r180; Bottom Overlay "A" at -41.14,35.99 h1.52
MTR1_E4: Bottom Overlay "A" at 36.14,40.03 h1.52; Bottom Overlay "B" at 38.85,39.55 h1.52 r180; Bottom Overlay "C" at 40.77,37.8 h1.52 r180